# KiCad board poly_kb_molecule_16x5.kicad_pcb (continued)
## Placement (name value [footprint] x y rotation side) (continued)
kibuzzard-61EFBE21#44  G***  [kibuzzard-61EFBE21]  79.07 7.54 0 top
kibuzzard-61EFBE21#45  G***  [kibuzzard-61EFBE21]  21.92 64.69 0 top
kibuzzard-61EFBE21#46  G***  [kibuzzard-61EFBE21]  2.87 7.54 0 top
kibuzzard-61EFBE21#47  G***  [kibuzzard-61EFBE21]  60.02 64.69 0 top
kibuzzard-61EFBE21#48  G***  [kibuzzard-61EFBE21]  174.32 26.59 0 top
kibuzzard-61EFBE21#49  G***  [kibuzzard-61EFBE21]  155.27 45.64 0 top
kibuzzard-61EFBE21#50  G***  [kibuzzard-61EFBE21]  136.22 7.54 0 top
kibuzzard-61EFBE21#51  G***  [kibuzzard-61EFBE21]  288.62 83.74 0 top
kibuzzard-61EFBE21#52  G***  [kibuzzard-61EFBE21]  98.12 45.64 0 top
kibuzzard-61EFBE21#53  G***  [kibuzzard-61EFBE21]  288.62 7.54 0 top
kibuzzard-61EFBE21#54  G***  [kibuzzard-61EFBE21]  212.42 64.69 0 top
kibuzzard-61EFBE21#55  G***  [kibuzzard-61EFBE21]  2.87 26.59 0 top
kibuzzard-61EFBE21#56  G***  [kibuzzard-61EFBE21]  212.42 45.64 0 top
kibuzzard-61EFBE21#57  G***  [kibuzzard-61EFBE21]  193.37 45.64 0 top
kibuzzard-61EFBE21#58  G***  [kibuzzard-61EFBE21]  40.97 7.54 0 top
kibuzzard-61EFBE21#59  G***  [kibuzzard-61EFBE21]  193.37 26.59 0 top
kibuzzard-61EFBE21#60  G***  [kibuzzard-61EFBE21]  174.32 83.74 0 top
kibuzzard-61EFBE21#61  G***  [kibuzzard-61EFBE21]  2.87 83.74 0 top
kibuzzard-61EFBE21#62  G***  [kibuzzard-61EFBE21]  98.12 26.59 0 top
kibuzzard-61EFBE21#63  G***  [kibuzzard-61EFBE21]  231.47 45.64 0 top
kibuzzard-61EFBE21#64  G***  [kibuzzard-61EFBE21]  193.37 64.69 0 top
kibuzzard-61EFBE21#65  G***  [kibuzzard-61EFBE21]  250.52 45.64 0 top
kibuzzard-61EFBE21#66  G***  [kibuzzard-61EFBE21]  269.57 7.54 0 top
kibuzzard-61EFBE21#67  G***  [kibuzzard-61EFBE21]  155.27 83.74 0 top
kibuzzard-61EFBE21#68  G***  [kibuzzard-61EFBE21]  2.87 64.69 0 top
kibuzzard-61EFBE21#69  G***  [kibuzzard-61EFBE21]  2.87 45.64 0 top
kibuzzard-61EFBE21#70  G***  [kibuzzard-61EFBE21]  250.52 64.69 0 top
kibuzzard-61EFBE21#71  G***  [kibuzzard-61EFBE21]  136.22 45.64 0 top
kibuzzard-61EFBE21#72  G***  [kibuzzard-61EFBE21]  193.37 7.54 0 top
kibuzzard-61EFBE21#73  G***  [kibuzzard-61EFBE21]  174.32 7.54 0 top
kibuzzard-61EFBE21#74  G***  [kibuzzard-61EFBE21]  212.42 26.59 0 top
kibuzzard-61EFBE21#75  G***  [kibuzzard-61EFBE21]  269.57 45.64 0 top
kibuzzard-61EFBE21#76  G***  [kibuzzard-61EFBE21]  40.97 83.74 0 top
kibuzzard-61EFBE21#77  G***  [kibuzzard-61EFBE21]  231.47 7.54 0 top
kibuzzard-61EFBE21#78  G***  [kibuzzard-61EFBE21]  269.57 83.74 0 top
kibuzzard-61EFBE21#79  G***  [kibuzzard-61EFBE21]  60.02 7.54 0 top
kibuzzard-61EFBE21#80  G***  [kibuzzard-61EFBE21]  117.17 7.54 0 top
kibuzzard-61EFBE87  G***  [kibuzzard-61EFBE87]  80.04 89.69 0 top
kibuzzard-61EFBE87#2  G***  [kibuzzard-61EFBE87]  137.19 89.69 0 top
kibuzzard-61EFBE87#3  G***  [kibuzzard-61EFBE87]  80.04 51.59 0 top
kibuzzard-61EFBE87#4  G***  [kibuzzard-61EFBE87]  251.49 70.64 0 top
kibuzzard-61EFBE87#5  G***  [kibuzzard-61EFBE87]  213.39 32.54 0 top
kibuzzard-61EFBE87#6  G***  [kibuzzard-61EFBE87]  60.99 32.54 0 top
kibuzzard-61EFBE87#7  G***  [kibuzzard-61EFBE87]  156.24 13.49 0 top
kibuzzard-61EFBE87#8  G***  [kibuzzard-61EFBE87]  41.94 70.64 0 top
kibuzzard-61EFBE87#9  G***  [kibuzzard-61EFBE87]  175.29 32.54 0 top
kibuzzard-61EFBE87#10  G***  [kibuzzard-61EFBE87]  118.14 89.69 0 top
kibuzzard-61EFBE87#11  G***  [kibuzzard-61EFBE87]  99.09 70.64 0 top
kibuzzard-61EFBE87#12  G***  [kibuzzard-61EFBE87]  289.59 70.64 0 top
kibuzzard-61EFBE87#13  G***  [kibuzzard-61EFBE87]  41.94 32.54 0 top
kibuzzard-61EFBE87#14  G***  [kibuzzard-61EFBE87]  60.99 13.49 0 top
kibuzzard-61EFBE87#15  G***  [kibuzzard-61EFBE87]  251.49 89.69 0 top
kibuzzard-61EFBE87#16  G***  [kibuzzard-61EFBE87]  232.44 89.69 0 top
kibuzzard-61EFBE87#17  G***  [kibuzzard-61EFBE87]  41.94 13.49 0 top
kibuzzard-61EFBE87#18  G***  [kibuzzard-61EFBE87]  213.39 51.59 0 top
kibuzzard-61EFBE87#19  G***  [kibuzzard-61EFBE87]  118.14 51.59 0 top
kibuzzard-61EFBE87#20  G***  [kibuzzard-61EFBE87]  99.09 32.54 0 top
kibuzzard-61EFBE87#21  G***  [kibuzzard-61EFBE87]  99.09 13.49 0 top
kibuzzard-61EFBE87#22  G***  [kibuzzard-61EFBE87]  194.34 32.54 0 top
kibuzzard-61EFBE87#23  G***  [kibuzzard-61EFBE87]  60.99 89.69 0 top
kibuzzard-61EFBE87#24  G***  [kibuzzard-61EFBE87]  118.14 70.64 0 top
kibuzzard-61EFBE87#25  G***  [kibuzzard-61EFBE87]  3.84 89.69 0 top
kibuzzard-61EFBE87#26  G***  [kibuzzard-61EFBE87]  60.99 70.64 0 top
kibuzzard-61EFBE87#27  G***  [kibuzzard-61EFBE87]  22.89 51.59 0 top
kibuzzard-61EFBE87#28  G***  [kibuzzard-61EFBE87]  99.09 89.69 0 top
kibuzzard-61EFBE87#29  G***  [kibuzzard-61EFBE87]  118.14 32.54 0 top
kibuzzard-61EFBE87#30  G***  [kibuzzard-61EFBE87]  156.24 32.54 0 top
kibuzzard-61EFBE87#31  G***  [kibuzzard-61EFBE87]  118.14 13.49 0 top
kibuzzard-61EFBE87#32  G***  [kibuzzard-61EFBE87]  251.49 51.59 0 top
kibuzzard-61EFBE87#33  G***  [kibuzzard-61EFBE87]  99.09 51.59 0 top
kibuzzard-61EFBE87#34  G***  [kibuzzard-61EFBE87]  194.34 70.64 0 top
kibuzzard-61EFBE87#35  G***  [kibuzzard-61EFBE87]  213.39 89.69 0 top
kibuzzard-61EFBE87#36  G***  [kibuzzard-61EFBE87]  175.29 13.49 0 top
kibuzzard-61EFBE87#37  G***  [kibuzzard-61EFBE87]  137.19 13.49 0 top
kibuzzard-61EFBE87#38  G***  [kibuzzard-61EFBE87]  289.59 13.49 0 top
kibuzzard-61EFBE87#39  G***  [kibuzzard-61EFBE87]  22.89 32.54 0 top
kibuzzard-61EFBE87#40  G***  [kibuzzard-61EFBE87]  232.44 51.59 0 top
kibuzzard-61EFBE87#41  G***  [kibuzzard-61EFBE87]  251.49 32.54 0 top
kibuzzard-61EFBE87#42  G***  [kibuzzard-61EFBE87]  270.54 51.59 0 top
kibuzzard-61EFBE87#43  G***  [kibuzzard-61EFBE87]  175.29 51.59 0 top
kibuzzard-61EFBE87#44  G***  [kibuzzard-61EFBE87]  175.29 70.64 0 top
kibuzzard-61EFBE87#45  G***  [kibuzzard-61EFBE87]  289.59 89.69 0 top
kibuzzard-61EFBE87#46  G***  [kibuzzard-61EFBE87]  251.49 13.49 0 top
kibuzzard-61EFBE87#47  G***  [kibuzzard-61EFBE87]  232.44 13.49 0 top
kibuzzard-61EFBE87#48  G***  [kibuzzard-61EFBE87]  22.89 13.49 0 top
kibuzzard-61EFBE87#49  G***  [kibuzzard-61EFBE87]  137.19 32.54 0 top
kibuzzard-61EFBE87#50  G***  [kibuzzard-61EFBE87]  194.34 51.59 0 top
kibuzzard-61EFBE87#51  G***  [kibuzzard-61EFBE87]  60.99 51.59 0 top
kibuzzard-61EFBE87#52  G***  [kibuzzard-61EFBE87]  80.04 70.64 0 top
kibuzzard-61EFBE87#53  G***  [kibuzzard-61EFBE87]  41.94 89.69 0 top
kibuzzard-61EFBE87#54  G***  [kibuzzard-61EFBE87]  3.84 70.64 0 top
kibuzzard-61EFBE87#55  G***  [kibuzzard-61EFBE87]  270.54 89.69 0 top
kibuzzard-61EFBE87#56  G***  [kibuzzard-61EFBE87]  194.34 89.69 0 top
kibuzzard-61EFBE87#57  G***  [kibuzzard-61EFBE87]  41.94 51.59 0 top
kibuzzard-61EFBE87#58  G***  [kibuzzard-61EFBE87]  3.84 32.54 0 top
kibuzzard-61EFBE87#59  G***  [kibuzzard-61EFBE87]  289.59 32.54 0 top
kibuzzard-61EFBE87#60  G***  [kibuzzard-61EFBE87]  232.44 70.64 0 top
kibuzzard-61EFBE87#61  G***  [kibuzzard-61EFBE87]  80.04 32.54 0 top
kibuzzard-61EFBE87#62  G***  [kibuzzard-61EFBE87]  137.19 70.64 0 top
kibuzzard-61EFBE87#63  G***  [kibuzzard-61EFBE87]  22.89 89.69 0 top
kibuzzard-61EFBE87#64  G***  [kibuzzard-61EFBE87]  232.44 32.54 0 top
kibuzzard-61EFBE87#65  G***  [kibuzzard-61EFBE87]  3.84 51.59 0 top
kibuzzard-61EFBE87#66  G***  [kibuzzard-61EFBE87]  270.54 13.49 0 top
kibuzzard-61EFBE87#67  G***  [kibuzzard-61EFBE87]  156.24 70.64 0 top
kibuzzard-61EFBE87#68  G***  [kibuzzard-61EFBE87]  175.29 89.69 0 top
kibuzzard-61EFBE87#69  G***  [kibuzzard-61EFBE87]  3.84 13.49 0 top
kibuzzard-61EFBE87#70  G***  [kibuzzard-61EFBE87]  289.59 51.59 0 top
kibuzzard-61EFBE87#71  G***  [kibuzzard-61EFBE87]  137.19 51.59 0 top
kibuzzard-61EFBE87#72  G***  [kibuzzard-61EFBE87]  270.54 70.64 0 top
kibuzzard-61EFBE87#73  G***  [kibuzzard-61EFBE87]  213.39 70.64 0 top
kibuzzard-61EFBE87#74  G***  [kibuzzard-61EFBE87]  156.24 89.69 0 top
kibuzzard-61EFBE87#75  G***  [kibuzzard-61EFBE87]  270.54 32.54 0 top
kibuzzard-61EFBE87#76  G***  [kibuzzard-61EFBE87]  22.89 70.64 0 top
kibuzzard-61EFBE87#77  G***  [kibuzzard-61EFBE87]  156.24 51.59 0 top
kibuzzard-61EFBE87#78  G***  [kibuzzard-61EFBE87]  194.34 13.49 0 top
kibuzzard-61EFBE87#79  G***  [kibuzzard-61EFBE87]  80.04 13.49 0 top
kibuzzard-61EFBE87#80  G***  [kibuzzard-61EFBE87]  213.39 13.49 0 top
kibuzzard-61EFD7F9  G***  [kibuzzard-61EFD7F9]  168.58 64.69 0 top
kibuzzard-61EFD7F9#2  G***  [kibuzzard-61EFD7F9]  244.78 83.74 0 top
kibuzzard-61EFD7F9#3  G***  [kibuzzard-61EFD7F9]  35.23 7.54 0 top
kibuzzard-61EFD7F9#4  G***  [kibuzzard-61EFD7F9]  301.93 64.69 0 top
kibuzzard-61EFD7F9#5  G***  [kibuzzard-61EFD7F9]  282.88 83.74 0 top
kibuzzard-61EFD7F9#6  G***  [kibuzzard-61EFD7F9]  225.73 83.74 0 top
kibuzzard-61EFD7F9#7  G***  [kibuzzard-61EFD7F9]  225.73 7.54 0 top
kibuzzard-61EFD7F9#8  G***  [kibuzzard-61EFD7F9]  244.78 45.64 0 top
kibuzzard-61EFD7F9#9  G***  [kibuzzard-61EFD7F9]  244.78 7.54 0 top
kibuzzard-61EFD7F9#10  G***  [kibuzzard-61EFD7F9]  263.83 45.64 0 top
kibuzzard-61EFD7F9#11  G***  [kibuzzard-61EFD7F9]  206.68 26.59 0 top
kibuzzard-61EFD7F9#12  G***  [kibuzzard-61EFD7F9]  301.93 26.59 0 top
kibuzzard-61EFD7F9#13  G***  [kibuzzard-61EFD7F9]  92.38 45.64 0 top
kibuzzard-61EFD7F9#14  G***  [kibuzzard-61EFD7F9]  282.88 45.64 0 top
kibuzzard-61EFD7F9#15  G***  [kibuzzard-61EFD7F9]  206.68 7.54 0 top
kibuzzard-61EFD7F9#16  G***  [kibuzzard-61EFD7F9]  206.68 83.74 0 top
kibuzzard-61EFD7F9#17  G***  [kibuzzard-61EFD7F9]  111.43 26.59 0 top
kibuzzard-61EFD7F9#18  G***  [kibuzzard-61EFD7F9]  149.53 26.59 0 top
kibuzzard-61EFD7F9#19  G***  [kibuzzard-61EFD7F9]  92.38 26.59 0 top
kibuzzard-61EFD7F9#20  G***  [kibuzzard-61EFD7F9]  282.88 26.59 0 top
kibuzzard-61EFD7F9#21  G***  [kibuzzard-61EFD7F9]  244.78 64.69 0 top
kibuzzard-61EFD7F9#22  G***  [kibuzzard-61EFD7F9]  130.48 7.54 0 top
kibuzzard-61EFD7F9#23  G***  [kibuzzard-61EFD7F9]  54.28 26.59 0 top
kibuzzard-61EFD7F9#24  G***  [kibuzzard-61EFD7F9]  206.68 64.69 0 top
kibuzzard-61EFD7F9#25  G***  [kibuzzard-61EFD7F9]  54.28 7.54 0 top
kibuzzard-61EFD7F9#26  G***  [kibuzzard-61EFD7F9]  111.43 45.64 0 top
kibuzzard-61EFD7F9#27  G***  [kibuzzard-61EFD7F9]  16.18 26.59 0 top
kibuzzard-61EFD7F9#28  G***  [kibuzzard-61EFD7F9]  92.38 7.54 0 top
kibuzzard-61EFD7F9#29  G***  [kibuzzard-61EFD7F9]  263.83 26.59 0 top
kibuzzard-61EFD7F9#30  G***  [kibuzzard-61EFD7F9]  282.88 7.54 0 top
kibuzzard-61EFD7F9#31  G***  [kibuzzard-61EFD7F9]  111.43 7.54 0 top
kibuzzard-61EFD7F9#32  G***  [kibuzzard-61EFD7F9]  16.18 64.69 0 top
kibuzzard-61EFD7F9#33  G***  [kibuzzard-61EFD7F9]  130.48 64.69 0 top
kibuzzard-61EFD7F9#34  G***  [kibuzzard-61EFD7F9]  35.23 45.64 0 top
kibuzzard-61EFD7F9#35  G***  [kibuzzard-61EFD7F9]  92.38 64.69 0 top
kibuzzard-61EFD7F9#36  G***  [kibuzzard-61EFD7F9]  263.83 64.69 0 top
kibuzzard-61EFD7F9#37  G***  [kibuzzard-61EFD7F9]  301.93 7.54 0 top
kibuzzard-61EFD7F9#38  G***  [kibuzzard-61EFD7F9]  225.73 45.64 0 top
kibuzzard-61EFD7F9#39  G***  [kibuzzard-61EFD7F9]  54.28 83.74 0 top
kibuzzard-61EFD7F9#40  G***  [kibuzzard-61EFD7F9]  73.33 26.59 0 top
kibuzzard-61EFD7F9#41  G***  [kibuzzard-61EFD7F9]  225.73 26.59 0 top
kibuzzard-61EFD7F9#42  G***  [kibuzzard-61EFD7F9]  244.78 26.59 0 top
kibuzzard-61EFD7F9#43  G***  [kibuzzard-61EFD7F9]  187.63 83.74 0 top
kibuzzard-61EFD7F9#44  G***  [kibuzzard-61EFD7F9]  54.28 64.69 0 top
kibuzzard-61EFD7F9#45  G***  [kibuzzard-61EFD7F9]  111.43 83.74 0 top
kibuzzard-61EFD7F9#46  G***  [kibuzzard-61EFD7F9]  187.63 64.69 0 top
kibuzzard-61EFD7F9#47  G***  [kibuzzard-61EFD7F9]  149.53 7.54 0 top
kibuzzard-61EFD7F9#48  G***  [kibuzzard-61EFD7F9]  16.18 83.74 0 top
kibuzzard-61EFD7F9#49  G***  [kibuzzard-61EFD7F9]  187.63 7.54 0 top
kibuzzard-61EFD7F9#50  G***  [kibuzzard-61EFD7F9]  168.58 7.54 0 top
kibuzzard-61EFD7F9#51  G***  [kibuzzard-61EFD7F9]  73.33 7.54 0 top
kibuzzard-61EFD7F9#52  G***  [kibuzzard-61EFD7F9]  149.53 64.69 0 top
kibuzzard-61EFD7F9#53  G***  [kibuzzard-61EFD7F9]  225.73 64.69 0 top
kibuzzard-61EFD7F9#54  G***  [kibuzzard-61EFD7F9]  73.33 45.64 0 top
kibuzzard-61EFD7F9#55  G***  [kibuzzard-61EFD7F9]  35.23 26.59 0 top
kibuzzard-61EFD7F9#56  G***  [kibuzzard-61EFD7F9]  263.83 7.54 0 top
kibuzzard-61EFD7F9#57  G***  [kibuzzard-61EFD7F9]  263.83 83.74 0 top
kibuzzard-61EFD7F9#58  G***  [kibuzzard-61EFD7F9]  35.23 83.74 0 top
kibuzzard-61EFD7F9#59  G***  [kibuzzard-61EFD7F9]  168.58 26.59 0 top
kibuzzard-61EFD7F9#60  G***  [kibuzzard-61EFD7F9]  301.93 45.64 0 top
kibuzzard-61EFD7F9#61  G***  [kibuzzard-61EFD7F9]  35.23 64.69 0 top
kibuzzard-61EFD7F9#62  G***  [kibuzzard-61EFD7F9]  282.88 64.69 0 top
kibuzzard-61EFD7F9#63  G***  [kibuzzard-61EFD7F9]  206.68 45.64 0 top
kibuzzard-61EFD7F9#64  G***  [kibuzzard-61EFD7F9]  301.93 83.74 0 top
kibuzzard-61EFD7F9#65  G***  [kibuzzard-61EFD7F9]  130.48 45.64 0 top
kibuzzard-61EFD7F9#66  G***  [kibuzzard-61EFD7F9]  149.53 83.74 0 top
kibuzzard-61EFD7F9#67  G***  [kibuzzard-61EFD7F9]  187.63 26.59 0 top
kibuzzard-61EFD7F9#68  G***  [kibuzzard-61EFD7F9]  73.33 83.74 0 top
kibuzzard-61EFD7F9#69  G***  [kibuzzard-61EFD7F9]  16.18 45.64 0 top
kibuzzard-61EFD7F9#70  G***  [kibuzzard-61EFD7F9]  16.18 7.54 0 top
kibuzzard-61EFD7F9#71  G***  [kibuzzard-61EFD7F9]  187.63 45.64 0 top
kibuzzard-61EFD7F9#72  G***  [kibuzzard-61EFD7F9]  73.33 64.69 0 top
kibuzzard-61EFD7F9#73  G***  [kibuzzard-61EFD7F9]  130.48 83.74 0 top
kibuzzard-61EFD7F9#74  G***  [kibuzzard-61EFD7F9]  168.58 83.74 0 top
kibuzzard-61EFD7F9#75  G***  [kibuzzard-61EFD7F9]  168.58 45.64 0 top
kibuzzard-61EFD7F9#76  G***  [kibuzzard-61EFD7F9]  92.38 83.74 0 top
kibuzzard-61EFD7F9#77  G***  [kibuzzard-61EFD7F9]  111.43 64.69 0 top
kibuzzard-61EFD7F9#78  G***  [kibuzzard-61EFD7F9]  149.53 45.64 0 top
kibuzzard-61EFD7F9#79  G***  [kibuzzard-61EFD7F9]  54.28 45.64 0 top
kibuzzard-61EFD7F9#80  G***  [kibuzzard-61EFD7F9]  130.48 26.59 0 top
kibuzzard-61EFD863  G***  [kibuzzard-61EFD863]  110.67 91.72 0 top
kibuzzard-61EFD863#2  G***  [kibuzzard-61EFD863]  91.62 34.57 0 top
kibuzzard-61EFD863#3  G***  [kibuzzard-61EFD863]  91.62 53.62 0 top
kibuzzard-61EFD863#4  G***  [kibuzzard-61EFD863]  244.02 53.62 0 top
kibuzzard-61EFD863#5  G***  [kibuzzard-61EFD863]  301.17 72.67 0 top
kibuzzard-61EFD863#6  G***  [kibuzzard-61EFD863]  301.17 53.62 0 top
kibuzzard-61EFD863#7  G***  [kibuzzard-61EFD863]  186.87 72.67 0 top
kibuzzard-61EFD863#8  G***  [kibuzzard-61EFD863]  110.67 72.67 0 top
kibuzzard-61EFD863#9  G***  [kibuzzard-61EFD863]  263.07 34.57 0 top
kibuzzard-61EFD863#10  G***  [kibuzzard-61EFD863]  72.57 91.72 0 top
kibuzzard-61EFD863#11  G***  [kibuzzard-61EFD863]  91.62 91.72 0 top
kibuzzard-61EFD863#12  G***  [kibuzzard-61EFD863]  301.17 34.57 0 top
kibuzzard-61EFD863#13  G***  [kibuzzard-61EFD863]  91.62 15.52 0 top
kibuzzard-61EFD863#14  G***  [kibuzzard-61EFD863]  148.77 72.67 0 top
kibuzzard-61EFD863#15  G***  [kibuzzard-61EFD863]  263.07 15.52 0 top
kibuzzard-61EFD863#16  G***  [kibuzzard-61EFD863]  34.47 53.62 0 top
kibuzzard-61EFD863#17  G***  [kibuzzard-61EFD863]  53.52 91.72 0 top
kibuzzard-61EFD863#18  G***  [kibuzzard-61EFD863]  129.72 53.62 0 top
kibuzzard-61EFD863#19  G***  [kibuzzard-61EFD863]  167.82 91.72 0 top
kibuzzard-61EFD863#20  G***  [kibuzzard-61EFD863]  34.47 91.72 0 top
kibuzzard-61EFD863#21  G***  [kibuzzard-61EFD863]  224.97 53.62 0 top
kibuzzard-61EFD863#22  G***  [kibuzzard-61EFD863]  110.67 15.52 0 top
kibuzzard-61EFD863#23  G***  [kibuzzard-61EFD863]  148.77 15.52 0 top
kibuzzard-61EFD863#24  G***  [kibuzzard-61EFD863]  186.87 15.52 0 top
kibuzzard-61EFD863#25  G***  [kibuzzard-61EFD863]  282.12 72.67 0 top
kibuzzard-61EFD863#26  G***  [kibuzzard-61EFD863]  53.52 15.52 0 top
kibuzzard-61EFD863#27  G***  [kibuzzard-61EFD863]  15.42 34.57 0 top
kibuzzard-61EFD863#28  G***  [kibuzzard-61EFD863]  129.72 15.52 0 top
kibuzzard-61EFD863#29  G***  [kibuzzard-61EFD863]  205.92 34.57 0 top
kibuzzard-61EFD863#30  G***  [kibuzzard-61EFD863]  205.92 91.72 0 top
kibuzzard-61EFD863#31  G***  [kibuzzard-61EFD863]  15.42 53.62 0 top
kibuzzard-61EFD863#32  G***  [kibuzzard-61EFD863]  167.82 53.62 0 top
kibuzzard-61EFD863#33  G***  [kibuzzard-61EFD863]  167.82 15.52 0 top
kibuzzard-61EFD863#34  G***  [kibuzzard-61EFD863]  263.07 72.67 0 top
kibuzzard-61EFD863#35  G***  [kibuzzard-61EFD863]  15.42 15.52 0 top
kibuzzard-61EFD863#36  G***  [kibuzzard-61EFD863]  186.87 91.72 0 top
kibuzzard-61EFD863#37  G***  [kibuzzard-61EFD863]  148.77 91.72 0 top
kibuzzard-61EFD863#38  G***  [kibuzzard-61EFD863]  263.07 53.62 0 top
kibuzzard-61EFD863#39  G***  [kibuzzard-61EFD863]  129.72 34.57 0 top
kibuzzard-61EFD863#40  G***  [kibuzzard-61EFD863]  224.97 34.57 0 top
kibuzzard-61EFD863#41  G***  [kibuzzard-61EFD863]  186.87 34.57 0 top
kibuzzard-61EFD863#42  G***  [kibuzzard-61EFD863]  34.47 15.52 0 top
kibuzzard-61EFD863#43  G***  [kibuzzard-61EFD863]  205.92 72.67 0 top
kibuzzard-61EFD863#44  G***  [kibuzzard-61EFD863]  205.92 53.62 0 top
kibuzzard-61EFD863#45  G***  [kibuzzard-61EFD863]  34.47 72.67 0 top
kibuzzard-61EFD863#46  G***  [kibuzzard-61EFD863]  224.97 15.52 0 top
kibuzzard-61EFD863#47  G***  [kibuzzard-61EFD863]  129.72 91.72 0 top
kibuzzard-61EFD863#48  G***  [kibuzzard-61EFD863]  301.17 91.72 0 top
kibuzzard-61EFD863#49  G***  [kibuzzard-61EFD863]  167.82 72.67 0 top
kibuzzard-61EFD863#50  G***  [kibuzzard-61EFD863]  244.02 34.57 0 top
kibuzzard-61EFD863#51  G***  [kibuzzard-61EFD863]  34.47 34.57 0 top
kibuzzard-61EFD863#52  G***  [kibuzzard-61EFD863]  263.07 91.72 0 top
kibuzzard-61EFD863#53  G***  [kibuzzard-61EFD863]  15.42 91.72 0 top
kibuzzard-61EFD863#54  G***  [kibuzzard-61EFD863]  110.67 53.62 0 top
kibuzzard-61EFD863#55  G***  [kibuzzard-61EFD863]  205.92 15.52 0 top
kibuzzard-61EFD863#56  G***  [kibuzzard-61EFD863]  186.87 53.62 0 top
kibuzzard-61EFD863#57  G***  [kibuzzard-61EFD863]  148.77 34.57 0 top
kibuzzard-61EFD863#58  G***  [kibuzzard-61EFD863]  244.02 91.72 0 top
kibuzzard-61EFD863#59  G***  [kibuzzard-61EFD863]  53.52 72.67 0 top
kibuzzard-61EFD863#60  G***  [kibuzzard-61EFD863]  282.12 53.62 0 top
kibuzzard-61EFD863#61  G***  [kibuzzard-61EFD863]  15.42 72.67 0 top
kibuzzard-61EFD863#62  G***  [kibuzzard-61EFD863]  72.57 15.52 0 top
kibuzzard-61EFD863#63  G***  [kibuzzard-61EFD863]  72.57 34.57 0 top
kibuzzard-61EFD863#64  G***  [kibuzzard-61EFD863]  53.52 34.57 0 top
kibuzzard-61EFD863#65  G***  [kibuzzard-61EFD863]  244.02 72.67 0 top
kibuzzard-61EFD863#66  G***  [kibuzzard-61EFD863]  282.12 34.57 0 top
kibuzzard-61EFD863#67  G***  [kibuzzard-61EFD863]  224.97 91.72 0 top
kibuzzard-61EFD863#68  G***  [kibuzzard-61EFD863]  301.17 15.52 0 top
kibuzzard-61EFD863#69  G***  [kibuzzard-61EFD863]  224.97 72.67 0 top
kibuzzard-61EFD863#70  G***  [kibuzzard-61EFD863]  244.02 15.52 0 top
kibuzzard-61EFD863#71  G***  [kibuzzard-61EFD863]  148.77 53.62 0 top
kibuzzard-61EFD863#72  G***  [kibuzzard-61EFD863]  72.57 72.67 0 top
kibuzzard-61EFD863#73  G***  [kibuzzard-61EFD863]  167.82 34.57 0 top
kibuzzard-61EFD863#74  G***  [kibuzzard-61EFD863]  282.12 91.72 0 top
kibuzzard-61EFD863#75  G***  [kibuzzard-61EFD863]  129.72 72.67 0 top
kibuzzard-61EFD863#76  G***  [kibuzzard-61EFD863]  53.52 53.62 0 top
kibuzzard-61EFD863#77  G***  [kibuzzard-61EFD863]  110.67 34.57 0 top
kibuzzard-61EFD863#78  G***  [kibuzzard-61EFD863]  72.57 53.62 0 top
kibuzzard-61EFD863#79  G***  [kibuzzard-61EFD863]  282.12 15.52 0 top
kibuzzard-61EFD863#80  G***  [kibuzzard-61EFD863]  91.62 72.67 0 top
kibuzzard-61EFD879  G***  [kibuzzard-61EFD879]  232.24 53.61 0 top
kibuzzard-61EFD879#2  G***  [kibuzzard-61EFD879]  79.84 53.61 0 top
kibuzzard-61EFD879#3  G***  [kibuzzard-61EFD879]  136.99 72.66 0 top
kibuzzard-61EFD879#4  G***  [kibuzzard-61EFD879]  194.14 72.66 0 top
kibuzzard-61EFD879#5  G***  [kibuzzard-61EFD879]  289.39 91.71 0 top
kibuzzard-61EFD879#6  G***  [kibuzzard-61EFD879]  194.14 15.51 0 top
kibuzzard-61EFD879#7  G***  [kibuzzard-61EFD879]  98.89 72.66 0 top
kibuzzard-61EFD879#8  G***  [kibuzzard-61EFD879]  3.64 15.51 0 top
kibuzzard-61EFD879#9  G***  [kibuzzard-61EFD879]  3.64 34.56 0 top
kibuzzard-61EFD879#10  G***  [kibuzzard-61EFD879]  213.19 15.51 0 top
kibuzzard-61EFD879#11  G***  [kibuzzard-61EFD879]  251.29 72.66 0 top
kibuzzard-61EFD879#12  G***  [kibuzzard-61EFD879]  232.24 34.56 0 top
kibuzzard-61EFD879#13  G***  [kibuzzard-61EFD879]  22.69 53.61 0 top
kibuzzard-61EFD879#14  G***  [kibuzzard-61EFD879]  232.24 91.71 0 top
kibuzzard-61EFD879#15  G***  [kibuzzard-61EFD879]  3.64 53.61 0 top
kibuzzard-61EFD879#16  G***  [kibuzzard-61EFD879]  117.94 34.56 0 top
kibuzzard-61EFD879#17  G***  [kibuzzard-61EFD879]  270.34 34.56 0 top
kibuzzard-61EFD879#18  G***  [kibuzzard-61EFD879]  232.24 15.51 0 top
kibuzzard-61EFD879#19  G***  [kibuzzard-61EFD879]  289.39 15.51 0 top
kibuzzard-61EFD879#20  G***  [kibuzzard-61EFD879]  156.04 53.61 0 top
kibuzzard-61EFD879#21  G***  [kibuzzard-61EFD879]  289.39 34.56 0 top
kibuzzard-61EFD879#22  G***  [kibuzzard-61EFD879]  194.14 34.56 0 top
kibuzzard-61EFD879#23  G***  [kibuzzard-61EFD879]  270.34 53.61 0 top
kibuzzard-61EFD879#24  G***  [kibuzzard-61EFD879]  251.29 34.56 0 top
kibuzzard-61EFD879#25  G***  [kibuzzard-61EFD879]  60.79 72.66 0 top
kibuzzard-61EFD879#26  G***  [kibuzzard-61EFD879]  79.84 72.66 0 top
kibuzzard-61EFD879#27  G***  [kibuzzard-61EFD879]  213.19 72.66 0 top
kibuzzard-61EFD879#28  G***  [kibuzzard-61EFD879]  3.64 72.66 0 top
kibuzzard-61EFD879#29  G***  [kibuzzard-61EFD879]  251.29 91.71 0 top
kibuzzard-61EFD879#30  G***  [kibuzzard-61EFD879]  79.84 15.51 0 top
kibuzzard-61EFD879#31  G***  [kibuzzard-61EFD879]  136.99 15.51 0 top
kibuzzard-61EFD879#32  G***  [kibuzzard-61EFD879]  289.39 53.61 0 top
kibuzzard-61EFD879#33  G***  [kibuzzard-61EFD879]  194.14 91.71 0 top
kibuzzard-61EFD879#34  G***  [kibuzzard-61EFD879]  41.74 15.51 0 top
kibuzzard-61EFD879#35  G***  [kibuzzard-61EFD879]  213.19 91.71 0 top
kibuzzard-61EFD879#36  G***  [kibuzzard-61EFD879]  117.94 72.66 0 top
kibuzzard-61EFD879#37  G***  [kibuzzard-61EFD879]  41.74 72.66 0 top
kibuzzard-61EFD879#38  G***  [kibuzzard-61EFD879]  213.19 53.61 0 top
kibuzzard-61EFD879#39  G***  [kibuzzard-61EFD879]  22.69 72.66 0 top
kibuzzard-61EFD879#40  G***  [kibuzzard-61EFD879]  22.69 34.56 0 top
kibuzzard-61EFD879#41  G***  [kibuzzard-61EFD879]  79.84 34.56 0 top
kibuzzard-61EFD879#42  G***  [kibuzzard-61EFD879]  117.94 53.61 0 top
kibuzzard-61EFD879#43  G***  [kibuzzard-61EFD879]  60.79 15.51 0 top
kibuzzard-61EFD879#44  G***  [kibuzzard-61EFD879]  79.84 91.71 0 top
kibuzzard-61EFD879#45  G***  [kibuzzard-61EFD879]  117.94 91.71 0 top
kibuzzard-61EFD879#46  G***  [kibuzzard-61EFD879]  60.79 91.71 0 top
kibuzzard-61EFD879#47  G***  [kibuzzard-61EFD879]  232.24 72.66 0 top
kibuzzard-61EFD879#48  G***  [kibuzzard-61EFD879]  270.34 72.66 0 top
kibuzzard-61EFD879#49  G***  [kibuzzard-61EFD879]  175.09 72.66 0 top
kibuzzard-61EFD879#50  G***  [kibuzzard-61EFD879]  98.89 53.61 0 top
kibuzzard-61EFD879#51  G***  [kibuzzard-61EFD879]  22.69 91.71 0 top
kibuzzard-61EFD879#52  G***  [kibuzzard-61EFD879]  251.29 53.61 0 top
kibuzzard-61EFD879#53  G***  [kibuzzard-61EFD879]  60.79 34.56 0 top
kibuzzard-61EFD879#54  G***  [kibuzzard-61EFD879]  270.34 91.71 0 top
kibuzzard-61EFD879#55  G***  [kibuzzard-61EFD879]  136.99 34.56 0 top
kibuzzard-61EFD879#56  G***  [kibuzzard-61EFD879]  98.89 34.56 0 top
kibuzzard-61EFD879#57  G***  [kibuzzard-61EFD879]  175.09 91.71 0 top
kibuzzard-61EFD879#58  G***  [kibuzzard-61EFD879]  41.74 34.56 0 top
kibuzzard-61EFD879#59  G***  [kibuzzard-61EFD879]  117.94 15.51 0 top
kibuzzard-61EFD879#60  G***  [kibuzzard-61EFD879]  156.04 34.56 0 top
kibuzzard-61EFD879#61  G***  [kibuzzard-61EFD879]  194.14 53.61 0 top
kibuzzard-61EFD879#62  G***  [kibuzzard-61EFD879]  156.04 15.51 0 top
kibuzzard-61EFD879#63  G***  [kibuzzard-61EFD879]  289.39 72.66 0 top
kibuzzard-61EFD879#64  G***  [kibuzzard-61EFD879]  60.79 53.61 0 top
kibuzzard-61EFD879#65  G***  [kibuzzard-61EFD879]  41.74 91.71 0 top
kibuzzard-61EFD879#66  G***  [kibuzzard-61EFD879]  175.09 15.51 0 top
kibuzzard-61EFD879#67  G***  [kibuzzard-61EFD879]  3.64 91.71 0 top
kibuzzard-61EFD879#68  G***  [kibuzzard-61EFD879]  136.99 53.61 0 top
kibuzzard-61EFD879#69  G***  [kibuzzard-61EFD879]  41.74 53.61 0 top
kibuzzard-61EFD879#70  G***  [kibuzzard-61EFD879]  22.69 15.51 0 top
kibuzzard-61EFD879#71  G***  [kibuzzard-61EFD879]  270.34 15.51 0 top
kibuzzard-61EFD879#72  G***  [kibuzzard-61EFD879]  156.04 91.71 0 top
kibuzzard-61EFD879#73  G***  [kibuzzard-61EFD879]  251.29 15.51 0 top
kibuzzard-61EFD879#74  G***  [kibuzzard-61EFD879]  175.09 53.61 0 top
kibuzzard-61EFD879#75  G***  [kibuzzard-61EFD879]  156.04 72.66 0 top
kibuzzard-61EFD879#76  G***  [kibuzzard-61EFD879]  98.89 91.71 0 top
kibuzzard-61EFD879#77  G***  [kibuzzard-61EFD879]  175.09 34.56 0 top
kibuzzard-61EFD879#78  G***  [kibuzzard-61EFD879]  136.99 91.71 0 top
kibuzzard-61EFD879#79  G***  [kibuzzard-61EFD879]  98.89 15.51 0 top
kibuzzard-61EFD879#80  G***  [kibuzzard-61EFD879]  213.19 34.56 0 top
kibuzzard-61EFD908  G***  [kibuzzard-61EFD908]  226.19 58.65 0 top